# KiCad board Neptune.kicad_pcb (continued)
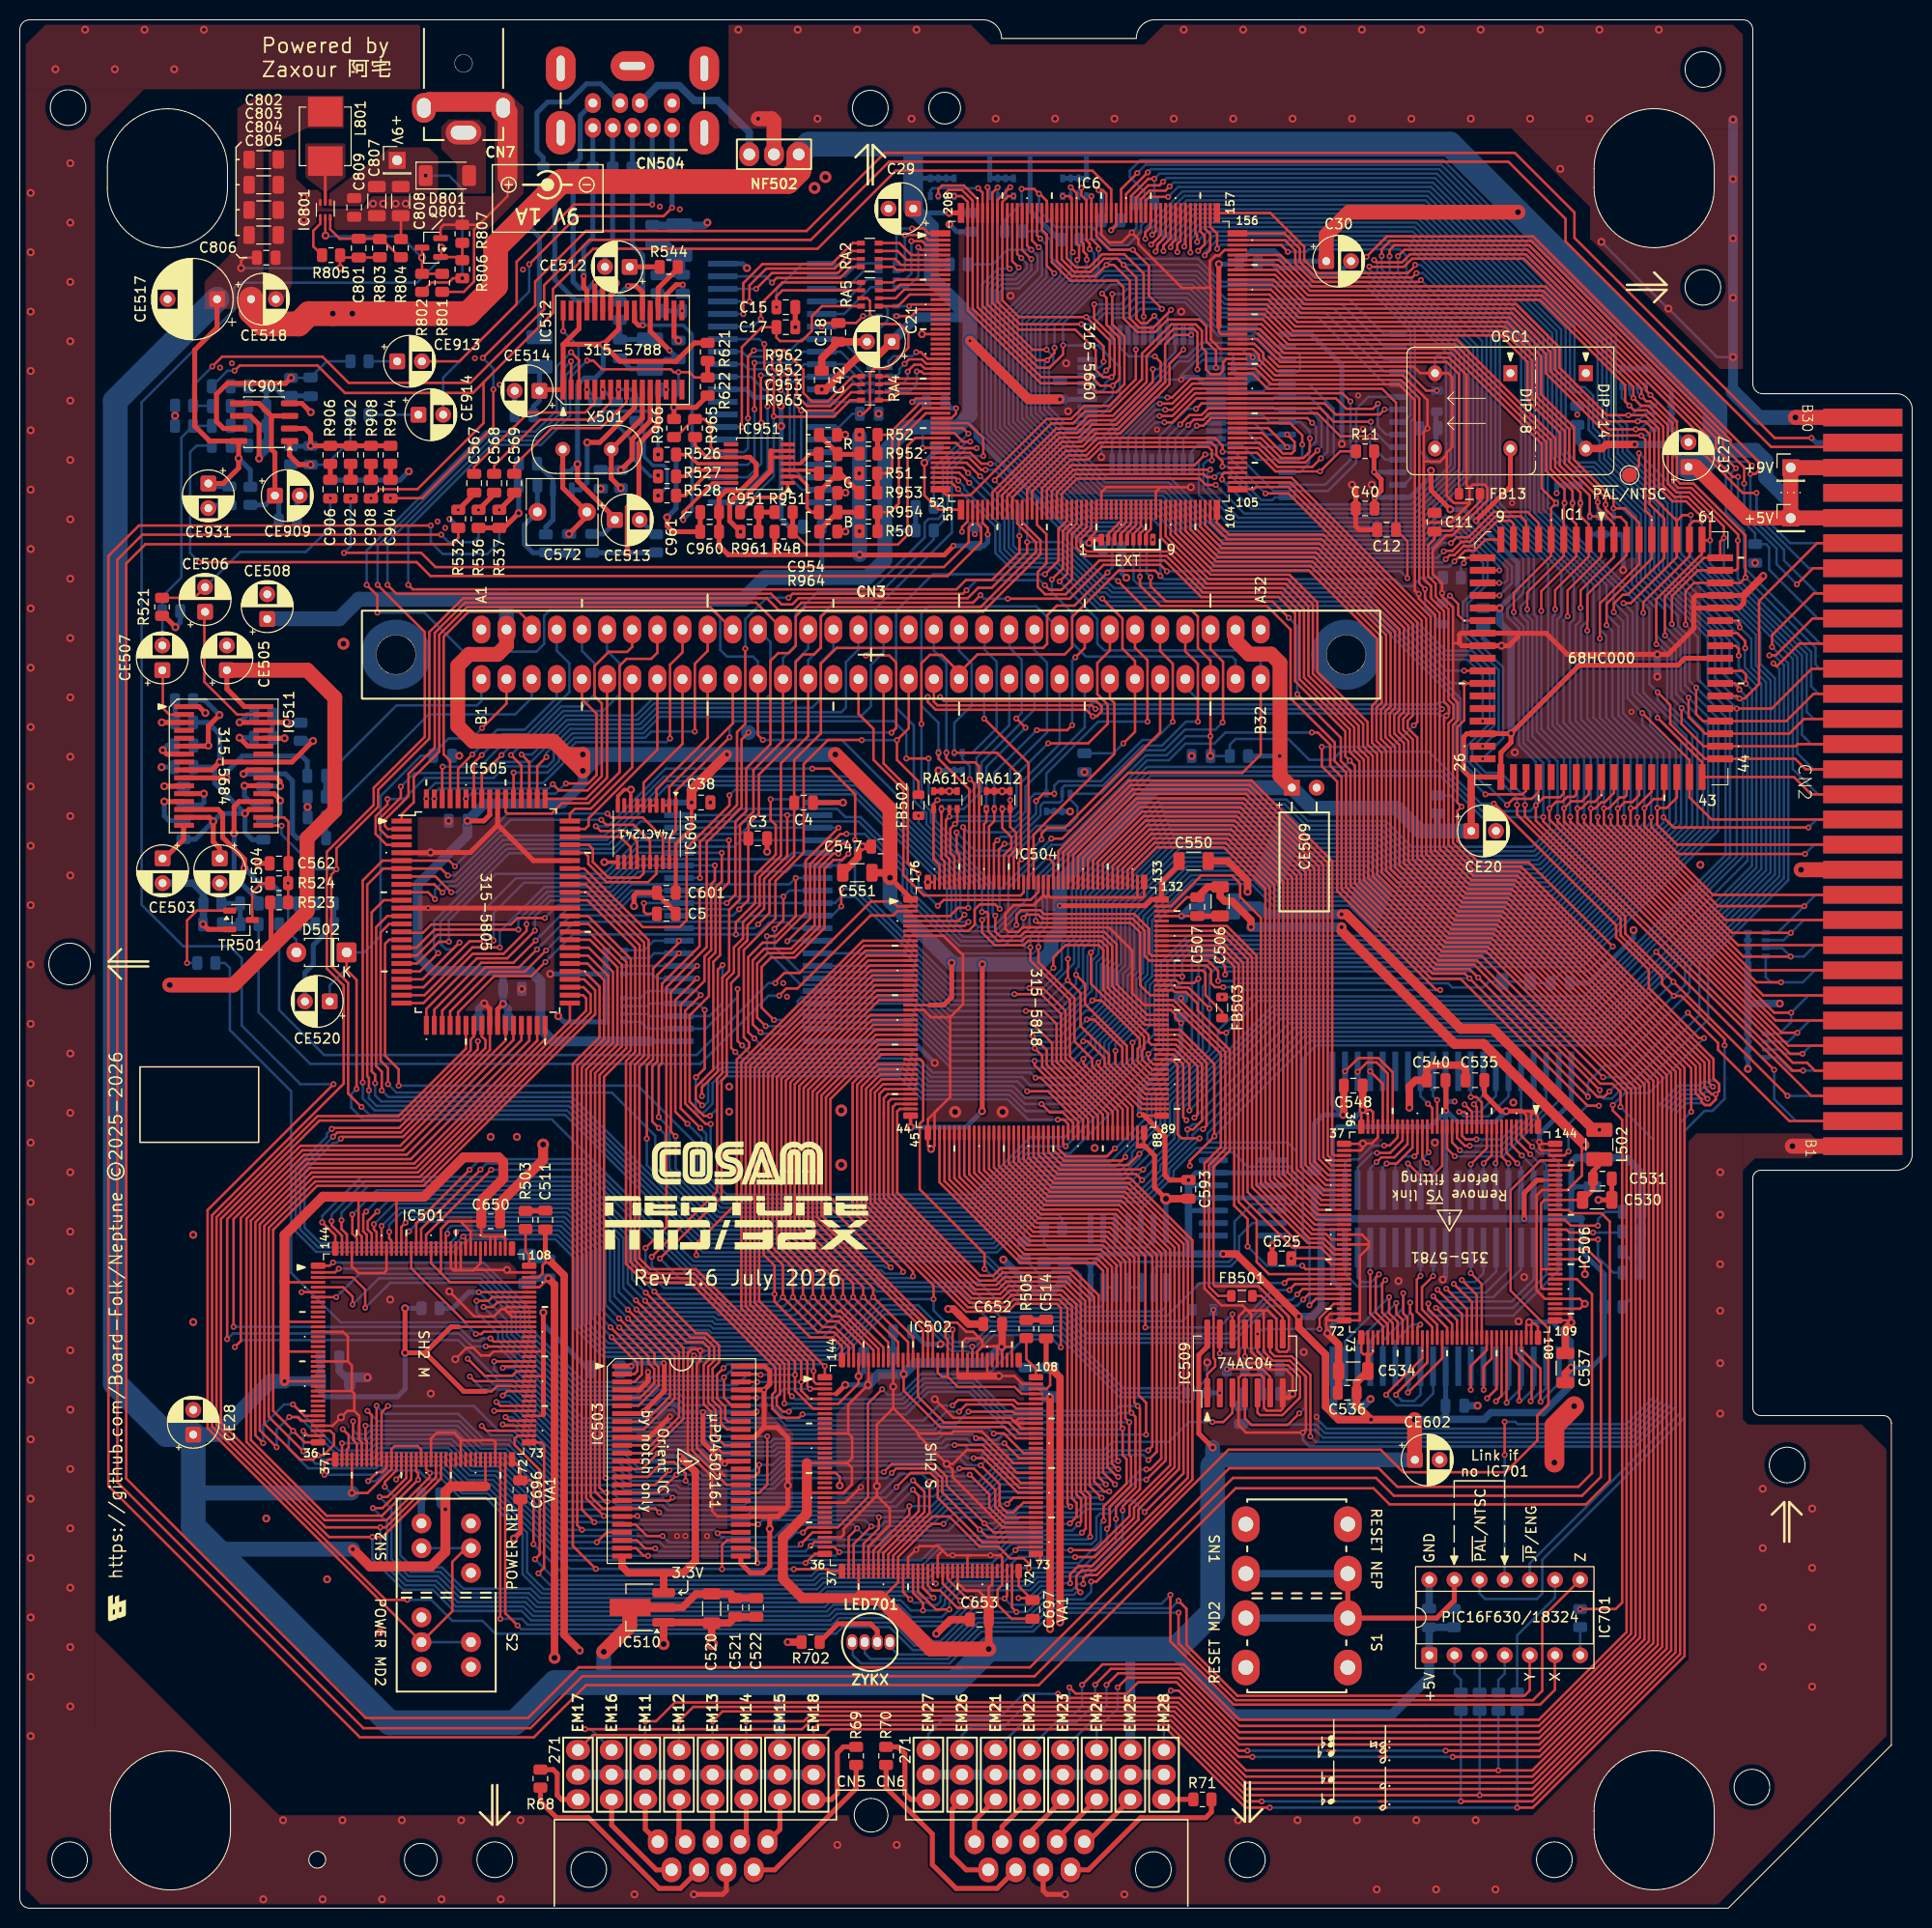
[diagram p0: board, top side]
## Routing (per net, layer and track width the routed paths; a pad name or vN(x,y) marks a point on that pad's centre or on a via; arc(x,y) is an arc through that point) (continued)
PB1: length 211.8
  Top w0.25: 115.78,141.15 115.78,138.7 120.12,134.35 128.08,134.35 130.65,131.78 130.65,124.8 135.73,119.72 135.73,117.45 136.7,116.47 136.7,104.33 143.86,97.18 148.34,97.18 162.8,82.72 162.8,27.74 153.49,18.43 123.21,18.43 117.44,24.2 110.25,24.2 v1(108.65,22.6)
  Bottom w0.25: v1(108.65,22.6) 108.65,20.7 106.72,18.78 104.65,18.78 102,16.12 EM22.3
PB2: length 209.2
  Top w0.25: 116.28,141.15 116.28,138.83 120.31,134.8 128.29,134.8 131.1,131.99 131.1,124.98 136.18,119.91 136.18,117.63 137.15,116.66 137.15,104.52 144.04,97.62 148.53,97.62 163.25,82.91 163.25,27.55 153.5,17.8 123.2,17.8 117.25,23.75 110.97,23.75 v1(109.8,22.58)
  Bottom w0.25: EM23.3 109.8,20.4 v1(109.8,22.58)
PB3: length 209.1
  Top w0.25: v1(110.92,22.32) 111.9,23.3 117.06,23.3 123.19,17.18 153.51,17.18 163.7,27.36 163.7,83.09 148.72,98.08 144.23,98.08 137.6,104.71 137.6,116.84 136.63,117.82 136.63,121.54 137.15,122.07 137.15,128.33 130.23,135.25 120.5,135.25 116.78,138.97 116.78,141.15
  Bottom w0.25: EM24.3 108.8,18.05 110.92,20.18 v1(110.92,22.32)
PB4: length 223.3
  Top w0.25: 117.28,141.15 117.28,139.11 120.68,135.7 130.41,135.7 137.6,128.51 137.6,121.88 137.08,121.36 137.08,118.01 138.05,117.03 138.05,104.89 144.42,98.53 148.9,98.53 164.15,83.28 164.15,27.18 153.52,16.55 123.18,16.55 116.88,22.85 113,22.85 111.85,21.7 106.67,21.7 v1(106.05,22.33)
  Bottom w0.25: EM26.3 95.2,17.5 96.1,18.4 99.5,18.4 101.47,20.38 105.65,20.38 106.05,20.78 v1(106.05,22.33)
PB5: length 204
  Top w0.25: v1(144.07,15.93) 153.53,15.93 164.6,26.99 164.6,83.47 149.09,98.97 144.6,98.97 138.5,105.08 138.5,117.22 137.53,118.19 137.53,121.17 138.05,121.69 138.05,128.7 130.6,136.15 120.87,136.15 117.78,139.24 117.78,141.15 ; v1(116.3,22) 117.09,22 123.17,15.93 v1(124.03,15.93)
  Bottom w0.25: v1(116.3,22) 115.6,21.3 EM28.3 ; v1(124.03,15.93) 124.03,15.92 124.27,15.92 124.28,15.93 124.8,15.93 124.81,15.92 144.06,15.92 v1(144.07,15.93)
PB6: length 226.4
  Top w0.25: v1(124.54,15.3) 123.15,15.3 117.2,21.25 105.32,21.25 v1(104.9,21.68) ; v1(144.78,15.3) 153.55,15.3 165.05,26.8 165.05,83.65 149.28,99.43 144.79,99.43 138.95,105.27 138.95,117.4 137.98,118.38 137.98,120.98 138.5,121.51 138.5,128.88 130.78,136.6 121.05,136.6 118.28,139.38 118.28,141.15
  Bottom w0.25: EM27.3 91.8,17.6 93.4,19.2 98.92,19.2 101.4,21.68 v1(104.9,21.68) ; v1(124.54,15.3) v1(144.78,15.3)
PC0: length 3.3
  Top w0.25: 111.28,141.15 111.28,140.24 109.97,138.93 J2.2
PC1: length 3.3
  Top w0.25: J2.3 110.6,138.93 111.78,140.1 111.78,141.15
PC2: length 3.2
  Top w0.25: J2.4 111.24,138.93 112.28,139.96 112.28,141.15
PC3: length 3.2
  Top w0.25: J2.5 111.88,138.93 112.78,139.83 112.78,141.15
PC4: length 3.1
  Top w0.25: J2.6 112.51,138.92 113.28,139.69 113.28,141.15
PC5: length 3.1
  Top w0.25: 113.78,141.15 113.78,139.55 113.5,139.28 113.5,139.28 113.14,138.92 113.14,138.35
PC6: length 3
  Top w0.25: 114.28,141.15 114.28,139.42 113.78,138.92 J2.8
PCM0: length 81.1
  Top w0.25: IC504.2 89.97,101.28 88.7,101.28 88.2,101.78 86.01,101.78 78.78,94.55 77.25,94.55 76.33,93.63 v1(76.33,93.52)
  Bottom w0.25: v1(76.33,93.52) 75.66,93.52 68.39,86.25 30.75,86.25 26.2,90.8 R515.1
PCM1: length 83.3
  Top w0.25: IC504.3 88.67,100.8 88.22,100.35 85.95,100.35 78.57,92.97 77.45,92.97 76.72,92.25 v1(76.72,92.25)
  Bottom w0.25: R513.1 24.12,90.58 29.35,85.35 68.76,85.35 75.66,92.25 v1(76.72,92.25)
PSG: length 125
  Top w0.25: 46.85,154.25 53.88,161.27 53.88,163.69 57.94,167.75 80.6,167.75 88.5,175.65 108.38,175.65 110.28,173.75 110.28,171.88 ; 46.85,154.25 46.85,150.13 40.17,143.45 36.39,143.45 v1(35.47,142.54) ; 46.85,154.25 45.78,153.18 32.85,153.18 30.07,155.95 22.22,155.95 v1(21.7,155.43)
  Bottom w0.25: v1(21.7,155.43) 20.98,155.43 C907.1
  Bottom w0.5: 19.43,153.88 C907.1
R/W: length 81.2
  Top w0.25: 102.28,171.88 102.28,168.59 v1(102.96,167.91) ; IC1.9 148.1,138.36 146.99,137.24 146.04,137.24 v1(144.95,136.15)
  Bottom w0.25: v1(102.96,167.91) 103.28,167.59 103.28,165.06 99.47,161.26 99.47,149.86 108.33,141 114.73,141 120.13,135.6 144.4,135.6 v1(144.95,136.15)
SBCR: length 159.1
  Top w0.25: v1(101,138.73) 101,137.05 98.22,134.28 95.6,134.28 94.65,133.32 39.7,133.32 v1(39.25,133.78) ; v1(98.5,144.35) 98.5,144.38 104.22,150.1 106.41,150.1 107.64,151.32 110.15,151.32 113.38,154.56 113.38,157.16 116.34,160.12 118.81,160.12 119.44,159.49 119.44,157.76 119.85,157.35 119.85,155.55 120.32,155.07 121.22,155.07 121.57,155.43 121.57,156.28 121.92,156.62 IC6.131 ; v1(57.32,156.45) 57.95,156.45 58.82,155.57 65.78,155.57 66.07,155.28 v1(66.55,155.28) 67.65,155.28 68.19,154.74 R622.2
  Top w0.5: R622.2 R621.1
  Bottom w0.25: v1(39.25,133.78) 39.25,139.54 47.63,147.93 52.66,147.93 55.6,150.87 55.6,154.73 v1(57.32,156.45) ; v1(101,138.73) 101,141.85 v1(98.5,144.35) ; v1(66.55,155.28) C621.1
SCK: length 73.8
  Top w0.25: v1(94.25,50.82) 94.8,51.38 100.45,51.38 100.82,51 IC502.103 ; v1(46.38,62.28) IC501.103
  Bottom w0.25: v1(46.38,62.28) 49.22,59.43 49.22,57.82 56.12,50.93 64.31,50.93 64.91,51.52 66.46,51.52 67.14,50.85 76,50.85 77.55,49.3 91.3,49.3 92.82,50.82 v1(94.25,50.82)
  Bottom w0.5: R502.1 43.75,60.65 45.38,62.28 v1(46.38,62.28)
SD0: length 6.3
  Bottom w0.25: 86.78,166.28 84.7,166.28 83.39,164.97 IC7.2
SD1: length 6.5
  Bottom w0.25: 86.78,165.48 85.22,165.48 83.45,163.7 IC7.3
SD2: length 6.7
  Bottom w0.25: 86.78,164.68 85.65,164.68 83.41,162.43 IC7.4
SD3: length 6.9
  Bottom w0.25: IC7.5 83.28,161.16 86,163.88 86.78,163.88
SD4: length 18.8
  Top w0.25: RA2.1 84.15,168.32 82.03,166.2 75.03,166.2 73.1,164.28 v1(73.1,161.15)
  Bottom w0.25: IC7.36 73.09,161.16 v1(73.1,161.15)
SD5: length 17
  Top w0.25: v1(73.72,162.43) 73.72,164.05 75.42,165.75 82.32,165.75 84.1,167.53 RA2.2
  Bottom w0.25: v1(73.72,162.43) IC7.37
SD6: length 15.2
  Top w0.25: RA2.3 84.07,166.73 82.65,165.3 76,165.3 v1(74.4,163.7)
  Bottom w0.25: v1(74.4,163.7) IC7.38
SD7: length 14.9
  Top w0.25: RA2.4 84,165.93 82.88,164.8 76.47,164.8 v1(76,164.32)
  Bottom w0.25: v1(76,164.32) 75.35,164.97 IC7.39
SHA1: length 219.9
  Top w0.25: v1(79.12,37.97) 79.65,38.5 IC502.31 82.65,38.5 85.7,41.55 85.7,51.03 v1(87.14,52.46) ; v1(105.18,56.7) 105.18,60.69 104.78,61.1 100.6,61.1 99.8,60.3 95.6,60.3 85.05,70.85 85.05,83.04 86.81,84.8 IC504.35 ; v1(27.6,50.93) 28.75,49.78 IC501.31 ; v1(24.59,47.01) 23.8,47.8 23.8,69.33 29.29,74.83 40.04,74.83 53.08,87.87 IC505.40 ; IC503.21 62.2,38.8 63.37,37.63 v1(64.95,37.63)
  Bottom w0.25: v1(24.59,47.01) 24.59,48.81 26.7,50.93 v1(27.6,50.93) 27.6,50.92 32.25,46.28 35.28,46.28 35.98,46.97 43.48,46.97 45.81,44.65 48.39,44.65 55.42,37.62 64.95,37.62 v1(64.95,37.63) 65.6,36.97 77.38,36.97 78.38,37.97 v1(79.12,37.97) ; v1(105.18,56.7) 104.38,57.5 101.36,57.5 97.86,54 91.05,54 88.95,51.9 87.7,51.9 v1(87.14,52.46)
SHA2: length 226.5
  Top w0.25: IC502.32 80.1,38 v1(78.9,36.8) ; v1(106.15,40.6) 105.85,40.9 105.85,60.66 104.96,61.55 100.41,61.55 99.61,60.75 95.79,60.75 85.5,71.04 85.5,82.85 86.95,84.3 IC504.36 ; IC503.22 59.3,38 v1(58.3,37) ; v1(25.95,46.6) 24.25,48.3 24.25,69.15 29.48,74.38 40.22,74.38 55.58,89.73 IC505.41 ; v1(27.22,49.65) 28.05,49.65 28.42,49.28 IC501.32
  Bottom w0.25: v1(25.95,46.6) 25.95,48.38 v1(27.22,49.65) 28.24,49.65 32.06,45.83 35.47,45.83 36.17,46.53 43.3,46.53 45.62,44.2 48.21,44.2 55.41,37 v1(58.3,37) 64.66,37 65.14,36.53 78.62,36.53 v1(78.9,36.8) 79.35,37.25 87.05,37.25 87.98,38.18 93.83,38.18 95.17,39.53 98.42,39.53 99.09,40.2 100.4,40.2 100.8,40.6 v1(106.15,40.6)
SHA3: length 227.3
  Top w0.25: v1(79.9,36.62) 80.28,37 IC502.34 ; IC501.34 31.36,48.28 31.75,47.89 31.75,46.84 30.71,45.8 v1(30.1,45.8) 29.65,45.35 28.33,45.35 24.7,48.98 24.7,68.96 29.66,73.93 40.41,73.93 57.23,90.74 57.23,91.97 56.91,92.3 IC505.42 ; IC503.23 62.36,37.2 63.19,36.38 v1(64.2,36.38) ; v1(106.1,38.9) 106.78,39.58 106.78,40.97 106.3,41.45 106.3,60.85 105.15,62 100.23,62 99.43,61.2 95.97,61.2 85.95,71.22 85.95,82.67 87.08,83.8 IC504.37
  Bottom w0.25: v1(106.1,38.9) 106.05,38.85 99.65,38.85 98.45,37.65 88.09,37.65 87.06,36.62 v1(79.9,36.62) 79.35,36.08 64.5,36.08 v1(64.2,36.38) 55.39,36.38 48.02,43.75 45.43,43.75 43.11,46.08 36.36,46.08 35.66,45.38 30.53,45.38 v1(30.1,45.8)
SHA4: length 225.6
  Top w0.25: v1(82.8,36) 82.3,36.5 IC502.35 ; v1(63.47,35.62) 63.04,35.62 62.26,36.4 IC503.24 ; IC504.38 87.22,83.3 86.4,82.48 86.4,71.41 96.16,61.65 99.24,61.65 100.04,62.45 105.33,62.45 106.75,61.03 106.75,41.83 107.22,41.35 107.22,39.08 v1(106.95,38.8) ; IC505.43 56.96,93.1 57.68,92.38 57.68,90.56 40.6,73.47 29.85,73.47 25.15,68.77 25.15,49.68 v1(28.64,46.19) ; v1(28.64,48.24) 29.1,47.78 IC501.35
  Bottom w0.25: v1(106.95,38.8) 106.32,38.18 99.61,38.18 98.64,37.2 88.6,37.2 87.4,36 v1(82.8,36) 82.42,35.62 v1(63.47,35.62) 55.51,35.62 47.83,43.3 45.25,43.3 42.92,45.62 36.54,45.62 35.84,44.93 29.9,44.93 v1(28.64,46.19) v1(28.64,48.24)
SHA5: length 228.2
  Top w0.25: IC505.44 57.03,93.9 58.13,92.8 58.13,90.37 40.78,73.03 30.04,73.03 25.6,68.59 25.6,50.28 v1(27.62,48.25) 28.78,47.1 IC501.36 ; IC504.39 87.36,82.8 86.85,82.29 86.85,71.6 96.35,62.1 99.05,62.1 99.85,62.9 105.52,62.9 107.2,61.22 107.2,42.07 107.7,41.57 107.7,38.35 v1(107.31,37.96) ; IC503.27 74.17,36.4 74.53,36.05 v1(74.53,34.9) ; IC502.36 80.32,35.83 v1(79.4,34.9)
  Bottom w0.25: v1(107.31,37.96) 107.08,37.72 99.8,37.72 98.82,36.75 92.65,36.75 91.08,35.18 80.29,35.18 80.02,34.9 v1(79.4,34.9) v1(74.53,34.9) 61,34.9 60.72,35.18 55.32,35.18 47.65,42.85 45.06,42.85 42.74,45.18 36.73,45.18 36.03,44.47 29.12,44.47 27.17,46.43 27.17,47.8 v1(27.62,48.25)
SHA6: length 222.3
  Top w0.25: IC505.45 57.03,94.7 58.58,93.15 58.58,88.05 55.88,85.35 55.88,36.62 v1(58.2,34.3) ; IC502.37 81.79,34.09 81.6,34.28 v1(78.2,34.28) ; v1(30.78,43.83) 30.78,44.93 31.21,45.36 31.88,45.36 ; v1(70.95,34.28) 70.95,36.7 71.45,37.2 IC503.28 ; 87.3,80.4 87.3,71.78 96.53,62.55 98.87,62.55 99.67,63.35 105.71,63.35 107.65,61.41 107.65,42.26 108.15,41.76 v1(108.15,37.55) ; IC504.40 87.7,82.3 87.3,81.9 87.3,80.3
  Bottom w0.25: v1(108.15,37.55) 107.88,37.28 99.98,37.28 99.01,36.3 92.84,36.3 91.27,34.72 80.48,34.72 80.03,34.28 v1(78.2,34.28) v1(70.95,34.28) 70.93,34.3 v1(58.2,34.3) 55.56,34.3 47.46,42.4 44.87,42.4 42.55,44.72 36.92,44.72 36.02,43.83 v1(30.78,43.83)
SHA7: length 211.1
  Top w0.25: v1(32.55,47) IC501.38 ; IC502.38 83.75,37.55 v1(84.6,38.4) ; v1(109.3,41.49) 108.1,42.69 108.1,61.59 105.89,63.8 99.48,63.8 98.68,63 96.72,63 87.75,71.97 87.75,81.5 88.05,81.8 IC504.41 ; IC503.29 70.6,38 v1(70.5,37.9) ; v1(56.8,38.25) 56.32,38.72 56.32,85.16 59.03,87.87 59.03,93.83 57.35,95.5 IC505.46
  Bottom w0.25: v1(109.3,41.49) 109.29,41.5 99.12,41.5 98.07,40.45 93.85,40.45 92.03,38.63 87.63,38.63 86.8,37.8 85.2,37.8 v1(84.6,38.4) 84.2,38.8 77.55,38.8 76.25,37.5 70.9,37.5 v1(70.5,37.9) 70.15,38.25 v1(56.8,38.25) 55.43,38.25 48.58,45.1 45.99,45.1 43.67,47.43 35.8,47.43 35.37,47 v1(32.55,47)
SHA8: length 212.3
  Top w0.25: IC501.39 33.05,46.38 33.22,46.55 33.22,47.83 v1(32.63,48.43) ; v1(74.6,38.8) IC503.30 ; v1(58.05,39.03) 56.78,40.3 56.78,84.98 59.48,87.68 59.48,94.22 57.41,96.3 IC505.47 ; IC504.42 88.5,81.3 88.2,81 88.2,72.15 96.9,63.45 98.5,63.45 99.3,64.25 106.08,64.25 108.55,61.78 108.55,43.14 109.57,42.12 v1(110.08,42.12) ; v1(86.03,38.6) 84.25,36.82 IC502.39
  Bottom w0.25: v1(110.08,42.12) 110.07,42.12 99.1,42.12 97.88,40.9 93.66,40.9 91.84,39.08 87.44,39.08 86.96,38.6 v1(86.03,38.6) 85.38,39.25 75.05,39.25 v1(74.6,38.8) 61.22,38.8 61,39.03 v1(58.05,39.03) 55.29,39.03 48.77,45.55 46.18,45.55 43.85,47.88 35.61,47.88 35.19,47.46 33.6,47.46 v1(32.63,48.43)
SHA9: length 211
  Top w0.25: v1(86.8,39.53) 86.8,38.4 85.25,36.85 IC502.41 ; v1(62.4,39.65) 62.35,39.65 62.3,39.6 IC503.20 60.8,39.55 ; v1(109.73,42.84) 109,43.58 109,61.97 106.27,64.7 99.11,64.7 98.36,63.95 97.04,63.95 88.65,72.34 88.65,80.55 88.9,80.8 IC504.43 ; IC501.41 34.05,46.96 33.67,47.34 v1(33.67,49.22) ; IC505.48 57.48,97.1 59.93,94.65 59.93,87.49 57.22,84.79 57.22,41.44 v1(59.01,39.65)
  Bottom w0.25: v1(33.67,49.22) 33.67,48.33 34.09,47.91 35.01,47.91 35.42,48.33 44.04,48.33 46.37,46 48.95,46 55.3,39.65 v1(59.01,39.65) v1(62.4,39.65) 62.8,39.25 73.65,39.25 74.1,39.7 86.63,39.7 v1(86.8,39.53) 91.65,39.53 93.48,41.35 97.7,41.35 99.19,42.84 v1(109.73,42.84)
SHA10: length 208.4
  Top w0.25: v1(34.92,48.78) 34.92,48.77 34.92,47.36 35.05,47.24 IC501.43 ; v1(64.61,40.01) 64.2,40.43 60.88,40.43 IC503.19 58.9,40.4 57.67,41.62 57.67,84.6 60.38,87.31 60.38,95.12 57.6,97.9 IC505.49 ; IC502.43 86.25,36.19 89.88,39.81 v1(89.88,40.65) ; IC504.47 92.92,73.38 101.08,65.22 108.68,65.22 109.45,64.46 109.45,44.05 v1(110.66,42.84)
  Bottom w0.25: v1(34.92,48.78) 44.23,48.78 46.55,46.45 49.14,46.45 55.29,40.3 64.33,40.3 v1(64.61,40.01) 64.93,39.7 73.46,39.7 73.91,40.15 89.38,40.15 v1(89.88,40.65) 92.14,40.65 93.29,41.8 97.51,41.8 99.21,43.5 110,43.5 v1(110.66,42.84)
SHA11: length 206.7
  Top w0.25: IC505.50 57.5,98.7 60.83,95.37 60.83,87.12 58.12,84.42 58.12,42.12 59.13,41.11 v1(59.35,41.11) ; v1(35.12,50.28) 35.55,49.85 IC501.44 ; IC504.48 93.42,73.52 101.27,65.68 108.87,65.68 109.9,64.64 109.9,44.59 110.72,43.78 110.8,43.78 v1(110.97,43.6) ; IC502.44 86.75,36.05 90.82,40.12 90.82,41.71 v1(90.24,42.3)
  Bottom w0.25: v1(110.97,43.6) 110.8,43.78 110.72,43.78 110.44,44.05 99.12,44.05 97.32,42.25 92.99,42.25 92.36,41.62 90.91,41.62 v1(90.24,42.3) 88.54,40.6 73.73,40.6 73.38,40.25 65.43,40.25 64.93,40.75 60.32,40.75 59.97,41.11 v1(59.35,41.11) 55.12,41.11 49.32,46.9 46.74,46.9 44.41,49.22 36.17,49.22 v1(35.12,50.28)
SHA12: length 206.2
  Top w0.25: v1(36.05,50.8) IC501.45 ; IC505.51 57.44,99.5 61.28,95.66 61.28,86.93 58.57,84.23 58.57,42.53 59.09,42.01 v1(59.29,42.01) ; v1(110.97,44.4) 110.9,44.4 110.35,44.95 110.35,64.83 109.06,66.12 101.46,66.12 93.92,73.66 IC504.49 ; IC502.45 87.25,35.91 91.4,40.06 91.4,42.1 v1(90.25,43.25)
  Bottom w0.25: v1(36.05,50.8) 36.05,50.79 36.87,49.97 44.3,49.97 46.92,47.35 49.51,47.35 54.85,42.01 v1(59.29,42.01) 59.89,42.01 60.5,41.4 65,41.4 65.67,40.72 73.22,40.72 73.54,41.05 88.05,41.05 v1(90.25,43.25) 91.03,42.47 92.3,42.47 92.53,42.7 97.14,42.7 98.94,44.5 110.87,44.5 v1(110.97,44.4)
SHA13: length 201.9
  Top w0.25: v1(59.2,43.5) 59.03,43.68 59.03,84.04 61.73,86.75 61.73,95.97 57.4,100.3 IC505.52 ; v1(37.2,50.78) 36.55,50.12 IC501.46 ; v1(91.91,43.14) 91.91,39.94 87.75,35.78 IC502.46 ; IC504.50 94.42,73.79 101.64,66.58 109.24,66.58 110.8,65.02 110.8,45.38 v1(110.97,45.2)
  Bottom w0.25: v1(110.97,45.2) 110.35,45.2 110.09,44.95 98.75,44.95 96.95,43.15 91.92,43.15 v1(91.91,43.14) 91.15,43.9 88.95,43.9 87,41.95 66.55,41.95 66.2,42.3 61.05,42.3 59.85,43.5 v1(59.2,43.5) 54.63,43.5 49.88,48.25 48.4,48.25 45.88,50.78 v1(37.2,50.78)
SHA14: length 264
  Top w0.25: v1(101.95,34.37) 101.95,34.85 101.42,35.38 100.05,35.38 98.88,36.55 96.96,36.55 93.91,39.6 92.21,39.6 88.25,35.64 IC502.47 ; IC501.47 37.05,44.53 36.6,44.08 36.1,44.08 v1(35.2,43.18) ; IC504.51 94.92,73.93 101.83,67.03 109.43,67.03 111.25,65.2 111.25,48.67 v1(111.42,48.5) 111.42,45.8 111.82,45.4 111.82,42.93 109.5,40.6 v1(109.5,39.18) ; v1(79.07,49.93) 78.72,49.58 76.95,49.58 76.03,50.5 76.03,51.93 76.35,52.25 76.35,54.65 67.75,63.25 63.14,63.25 61.25,65.14 61.25,85.63 62.18,86.56 62.18,97.07 57.35,101.9 IC505.54
  Bottom w0.25: v1(111.42,48.5) 111.32,48.4 99.7,48.4 95.9,52.2 91.8,52.2 89.53,49.93 v1(79.07,49.93) ; v1(35.2,43.18) 36,43.18 37.08,44.25 40.3,44.25 40.8,43.75 40.8,43.74 41.2,43.34 42.66,43.34 44.5,41.5 47.09,41.5 50.8,37.79 50.8,33.77 52.77,31.8 80.74,31.8 81.41,32.47 91.3,32.47 91.65,32.12 92.92,32.12 94.3,33.5 99.97,33.5 100.85,34.37 v1(101.95,34.37) 103.85,34.37 104.35,34.88 107,34.88 109.22,37.1 109.22,38.9 v1(109.5,39.18)
SHA15: length 248.8
  Top w0.25: v1(89.97,31.22) 89.25,31.95 IC502.49 ; v1(109.85,38.35) 110.12,38.63 110.12,40.59 112.28,42.74 112.28,45.62 112.1,45.8 v1(112.1,49.12) 111.7,49.53 111.7,65.39 109.62,67.47 102.02,67.47 95.42,74.07 IC504.52 ; IC505.55 57.28,102.7 62.63,97.35 62.63,86.38 61.7,85.44 61.7,65.33 63.33,63.7 67.94,63.7 76.8,54.84 76.8,51.97 76.47,51.65 76.47,50.83 77.1,50.2 v1(77.7,50.2) ; v1(36.88,42.6) 36.88,43.08 38.05,44.25 IC501.49
  Bottom w0.25: v1(36.88,42.6) 36.88,42.6 38,41.48 38,35.5 39.5,34 42.47,34 44.62,31.85 51.45,31.85 52.4,30.9 81.11,30.9 81.78,31.58 89.62,31.58 v1(89.97,31.22) 90.32,30.88 91.75,30.88 91.97,30.65 92.65,30.65 93.03,31.03 93.03,31.53 94.55,33.05 101.73,33.05 102.6,33.92 104.04,33.92 104.54,34.43 107.38,34.43 109.85,36.9 v1(109.85,38.35) ; v1(112.1,49.12) 99.61,49.12 96.09,52.65 91.61,52.65 89.51,50.55 78.05,50.55 v1(77.7,50.2)
SHA16: length 252.4
  Top w0.25: IC505.56 57.2,103.5 63.08,97.62 63.08,86.19 62.15,85.26 62.15,65.51 63.51,64.15 68.12,64.15 77.25,55.02 v1(77.25,51.03) ; IC504.53 95.92,74.2 102.2,67.93 109.8,67.93 112.15,65.58 112.15,50.25 v1(112.32,50.08) 112.72,49.68 112.72,42.55 110.75,40.58 v1(110.75,39.35) ; v1(36.35,41.58) 37.14,41.58 39.05,43.49 IC501.51 ; v1(91.25,30.1) 91.25,30.88 90.25,31.88 IC502.51
  Bottom w0.25: v1(110.75,39.35) 110.75,37.07 107.65,33.97 104.73,33.97 104.23,33.47 102.79,33.47 101.91,32.6 94.88,32.6 93.47,31.2 93.47,30.72 92.85,30.1 v1(91.25,30.1) 90.04,30.1 89.01,31.12 82.03,31.12 81.35,30.45 52.21,30.45 51.26,31.4 44.43,31.4 42.28,33.55 39.31,33.55 37.55,35.31 37.55,40.38 v1(36.35,41.58) ; v1(77.25,51.03) 77.28,51 89.33,51 91.43,53.1 96.27,53.1 99.55,49.83 110.85,49.83 111.1,50.08 v1(112.32,50.08)
SHA17: length 256.9
  Top w0.25: v1(93.92,30.2) 92.57,30.2 90.75,32.03 IC502.52 ; v1(78.01,51.75) 77.7,52.06 77.7,55.21 68.31,64.6 63.7,64.6 62.6,65.7 62.6,85.07 63.53,86 63.53,97.86 57.09,104.3 IC505.57 ; v1(111.43,40.22) 111.43,40.62 113.17,42.37 113.17,50.54 v1(112.95,50.77) 112.6,51.12 112.6,65.76 109.99,68.38 102.39,68.38 96.42,74.34 IC504.54 ; v1(35.67,40.45) 36.65,40.45 39.55,43.35 IC501.52
  Bottom w0.25: v1(78.01,51.75) 78.31,51.45 89.14,51.45 91.24,53.55 96.46,53.55 99.73,50.28 110.63,50.28 111.12,50.77 v1(112.95,50.77) ; v1(35.67,40.45) 37.1,39.03 37.1,35.12 39.12,33.1 42.1,33.1 44.25,30.95 51.07,30.95 52.03,30 81.54,30 82.21,30.68 88.82,30.68 90.07,29.43 93.15,29.43 v1(93.92,30.2) 93.92,30.88 95.19,32.15 102.1,32.15 102.98,33.02 104.41,33.02 104.91,33.53 107.84,33.53 111.43,37.12 v1(111.43,40.22)
SHA18: length 151.7
  Top w0.25: v1(92.32,31.38) 92.25,31.38 91.25,32.38 IC502.53 ; IC505.39 52.28,87.7 39.85,75.28 29.1,75.28 23.35,69.52 23.35,47.33 31,39.68 36.6,39.68 v1(40.25,43.33) 40.25,43.97 40.05,44.18 IC501.53
  Bottom w0.25: v1(92.32,31.38) 91.1,31.38 90.45,32.03 81.6,32.03 80.92,31.35 52.58,31.35 51.63,32.3 44.81,32.3 42.66,34.45 39.68,34.45 38.45,35.68 38.45,41.53 v1(40.25,43.33)
SHA19: length 145.8
  Top w0.25: v1(92.56,32.81) 92.25,33.12 IC502.55 ; IC501.55 41.05,44.38 v1(41.43,44) 41.43,43.59 37.06,39.22 30.81,39.22 22.9,47.14 22.9,69.71 28.92,75.72 39.5,75.72 51.48,87.7 IC505.38
  Bottom w0.25: v1(41.43,44) 42.64,44 44.69,41.95 47.27,41.95 51.25,37.97 51.25,33.96 52.96,32.25 80.55,32.25 81.22,32.93 92.45,32.93 v1(92.56,32.81)
SHA20: length 155.7
  Top w0.25: IC505.31 45.88,88.13 45.55,87.8 45.55,86.73 38.45,79.62 30.27,79.62 20.32,69.68 20.32,49.08 30.9,38.5 v1(36.42,38.5) 36.97,38.5 42.05,43.58 IC501.57 ; IC502.57 93.25,32.83 v1(95,31.08)
  Bottom w0.25: v1(36.42,38.5) 36.42,35.16 38.94,32.65 41.91,32.65 44.06,30.5 50.89,30.5 51.84,29.55 81.72,29.55 82.4,30.22 88.64,30.22 89.89,28.97 93.72,28.97 95,30.25 v1(95,31.08)
SHA21: length 158.9
  Top w0.25: IC505.30 45.08,86.9 38.26,80.08 30.09,80.08 19.88,69.86 19.88,48.89 31.24,37.53 v1(35.62,37.53) 36.64,37.53 42.55,43.44 IC501.58 ; v1(96.12,31.35) 95.66,31.35 93.75,33.26 IC502.58
  Bottom w0.25: v1(35.62,37.53) 35.62,35.33 38.75,32.2 41.72,32.2 43.88,30.05 50.7,30.05 51.65,29.1 81.91,29.1 82.58,29.78 88.45,29.78 89.7,28.53 93.91,28.53 96.12,30.74 v1(96.12,31.35)
SHCLK: length 157.8
  Top w0.25: IC502.118 96.25,56.76 v1(96.23,56.78) ; IC505.32 46.68,88.13 47.05,87.76 47.05,86.96 38.52,78.43 32.08,78.43 v1(31.65,78) ; IC503.35 71.41,42.8 67.95,46.26 67.95,55.7 v1(68.12,55.87) ; IC501.118 45.05,67.62 44.78,67.9
  Bottom w0.25: v1(31.65,78) 28.32,74.67 28.32,68.61 30.14,66.8 43.67,66.8 44.78,67.9 ; v1(44.8,67.9) 44.97,68.08 54.3,68.08 56.47,65.9 56.47,58.85 59.13,56.2 67.8,56.2 v1(68.12,55.87) 68.27,55.72 69.14,55.72 69.32,55.9 82.61,55.9 87.21,60.5 90.6,60.5 94.32,56.78 v1(96.23,56.78) 96.59,56.78 98.21,58.4 105.04,58.4 111.33,52.11 FB506.2
SHD0: length 111
  Top w0.25: IC504.26 86.22,89.3 79.65,82.73 79.65,69.25 86.23,62.67 v1(86.23,61.78) 90.25,57.75 IC502.130 ; IC503.2 62.1,54 62.4,54.3 62.4,55.12 v1(59.8,57.72) ; v1(39.32,68.43) 39.05,68.15 IC501.130
  Bottom w0.25: v1(39.32,68.43) 40.32,69.43 54.86,69.43 57.82,66.46 57.82,59.7 v1(59.8,57.72) 59.97,57.55 69.2,57.55 69.5,57.25 81.7,57.25 v1(86.23,61.78)
SHD1: length 113.7
  Top w0.25: IC502.131 89.75,57.24 v1(85.21,61.78) 85.21,62.79 79.2,68.8 79.2,82.92 86.08,89.8 IC504.25 ; IC503.3 62.1,53.2 62.85,53.95 62.85,55.56 v1(59.68,58.73) ; IC501.131 38.55,68.88 v1(38.97,69.3)
  Bottom w0.25: v1(38.97,69.3) 39.55,69.88 55.05,69.88 58.28,66.65 58.28,60.13 v1(59.68,58.73) 60.41,58 69.39,58 69.69,57.7 81.14,57.7 85.18,61.74 85.18,61.78
SHD2: length 117.1
  Top w0.25: IC501.133 37.53,66.71 37.53,67.52 37.32,67.72 v1(37.32,68.38) ; IC504.24 85.95,90.3 78.75,83.1 78.75,68.61 84.2,63.17 v1(84.2,61.78) 88.75,57.22 IC502.133 ; v1(60.58,58.71) 63.5,55.79 63.5,55.11 64.1,54.51 64.1,53.03 62.67,51.6 IC503.5
  Bottom w0.25: v1(37.32,68.38) 37.32,69.1 38.55,70.33 55.23,70.33 58.72,66.83 58.72,60.57 v1(60.58,58.71) 60.84,58.45 69.58,58.45 69.88,58.15 80.57,58.15 v1(84.2,61.78)
SHD3: length 119.6
  Top w0.25: IC504.21 86.81,91.8 78.3,83.29 78.3,68.3 83.18,63.42 83.18,61.76 84.03,60.91 84.04,60.91 87.75,57.2 IC502.135 ; IC503.6 62.51,50.8 64.55,52.84 64.55,54.7 64.12,55.12 64.12,56.05 v1(60.55,59.62) ; v1(36.56,68.96) 36.56,67.87 36.55,67.87 IC501.135
  Bottom w0.25: v1(36.56,68.96) 38.37,70.78 55.42,70.78 59.17,67.02 59.17,61 v1(60.55,59.62) 61.27,58.9 69.76,58.9 70.06,58.6 80.01,58.6 v1(83.18,61.78)
SHD4: length 122.8
  Top w0.25: v1(35.77,69.14) 35.77,68.63 36.05,68.35 IC501.136 ; IC504.20 86.67,92.3 77.85,83.48 77.85,68.03 82.17,63.71 v1(82.17,61.78) 87.25,56.69 IC502.136 ; IC503.8 63.15,49.2 65.7,51.75 65.7,55.36 65.33,55.72 65.33,55.72 v1(61.45,59.6)
  Bottom w0.25: 82.32,61.78 v1(82.17,61.78) 79.44,59.05 70.25,59.05 69.95,59.35 61.71,59.35 v1(61.45,59.6) 59.62,61.43 59.62,67.21 55.61,71.22 37.86,71.22 v1(35.77,69.14)
SHD5: length 125.4
  Top w0.25: IC502.137 86.75,56.56 82.93,60.38 82.56,60.38 v1(81.16,61.78) 81.16,63.95 77.4,67.71 77.4,83.66 86.54,92.8 IC504.19 ; v1(36.12,70.43) 35.15,69.45 35.15,68.61 35.55,68.21 IC501.137 ; IC503.9 63.05,48.4 66.15,51.5 66.15,55.79 v1(61.43,60.51)
  Bottom w0.25: v1(81.16,61.78) 78.88,59.5 70.43,59.5 70.13,59.8 62.14,59.8 v1(61.43,60.51) 60.07,61.87 60.07,67.39 55.79,71.68 37.38,71.68 v1(36.12,70.43)
SHD6: length 128
  Top w0.25: v1(62.31,60.52) 66.6,56.22 66.6,49.65 63.75,46.8 IC503.11 ; IC502.138 86.25,56.42 82.85,59.83 82.09,59.83 v1(80.14,61.78) 80.14,64.18 76.95,67.38 76.95,83.85 86.4,93.3 IC504.18 ; IC501.138 35.05,68.08 34.7,68.43 34.7,70.12 v1(35,70.43)
  Bottom w0.25: v1(80.14,61.78) 78.32,59.95 70.62,59.95 70.32,60.25 62.57,60.25 v1(62.31,60.52) 60.53,62.3 60.53,67.58 55.98,72.12 36.7,72.12 v1(35,70.43)
SHD7: length 130.8
  Top w0.25: v1(33.6,70.12) 33.6,68.2 34.05,67.75 IC501.140 ; IC503.12 63.59,46 67.05,49.46 67.05,56.66 v1(62.25,61.45) ; IC502.140 85.25,56.79 82.71,59.33 81.58,59.33 v1(79.13,61.78) 79.13,64.5 76.5,67.12 76.5,84.04 86.26,93.8 IC504.17
  Bottom w0.25: v1(33.6,70.12) 36.05,72.58 56.17,72.58 60.97,67.77 60.97,62.73 v1(62.25,61.45) 63.01,60.7 70.51,60.7 70.81,60.4 77.75,60.4 v1(79.13,61.78)
SHD8: length 131.8
  Top w0.25: v1(63.18,61.41) 67.35,57.24 69.01,57.24 69.65,56.6 69.65,55.47 69.1,54.92 69.1,50.96 69.85,50.21 69.85,47.15 71,46 IC503.39 ; IC502.142 84.25,56.87 82.37,58.75 81.14,58.75 v1(78.11,61.78) 78.11,64.75 76.05,66.81 76.05,84.22 86.13,94.3 IC504.16 ; v1(32.5,69.55) 32.5,68.66 33.05,68.11 IC501.142
  Bottom w0.25: v1(78.11,61.78) 77.19,60.85 70.99,60.85 70.69,61.15 63.44,61.15 v1(63.18,61.41) 61.42,63.16 61.42,67.95 56.35,73.03 35.21,73.03 32.5,70.31 v1(32.5,69.55)
SHD9: length 132.5
  Top w0.25: IC503.40 71.2,46.8 70.3,47.7 70.3,50.39 69.55,51.14 69.55,54.74 70.15,55.34 70.15,56.74 69.2,57.69 67.78,57.69 v1(63.25,62.23) ; v1(31.5,69.45) 31.5,69.03 32.55,67.97 IC501.143 ; IC502.143 83.75,56.74 82.26,58.22 80.65,58.22 v1(77.1,61.78) 77.1,65.03 75.6,66.53 75.6,84.41 85.99,94.8 IC504.15
  Bottom w0.25: v1(31.5,69.45) 31.5,70.1 34.88,73.47 56.54,73.47 61.88,68.14 61.88,63.6 v1(63.25,62.23) 63.87,61.6 70.88,61.6 71.18,61.3 76.62,61.3 v1(77.1,61.78)
SHD10: length 131.2
  Top w0.25: IC502.144 83.07,56.78 82.15,57.7 79.88,57.7 76.26,61.32 v1(76.26,62.08) 76.26,64.97 75.15,66.08 75.15,84.6 85.85,95.3 IC504.14 ; v1(64.11,62.34) 68.31,58.14 69.38,58.14 70.65,56.87 70.65,55.2 70,54.55 70,51.33 70.82,50.51 70.82,49.03 71.45,48.4 IC503.42 ; v1(30.55,69.34) 31.88,68.01 31.88,66.69
  Bottom w0.25: v1(30.55,69.34) 30.55,69.97 34.5,73.93 56.72,73.93 62.32,68.33 62.32,64.12 v1(64.11,62.34) 64.38,62.07 76.26,62.07 v1(76.26,62.08)
